# Altium PCB 11BRANMB10H3_20171026.pcbdoc (part 7 of 7)
Units mm, origin at the board's own origin, x right, y up, seen from the top; angles counter-clockwise.
Board outline 91.65 x 48.25 mm, 6 copper layers (TOP, GND1, Singal, POWER, GND2, BOTTOM), stack 0.8 mm thick; 370 components, 289 nets, 1421 pads, 963 vias.
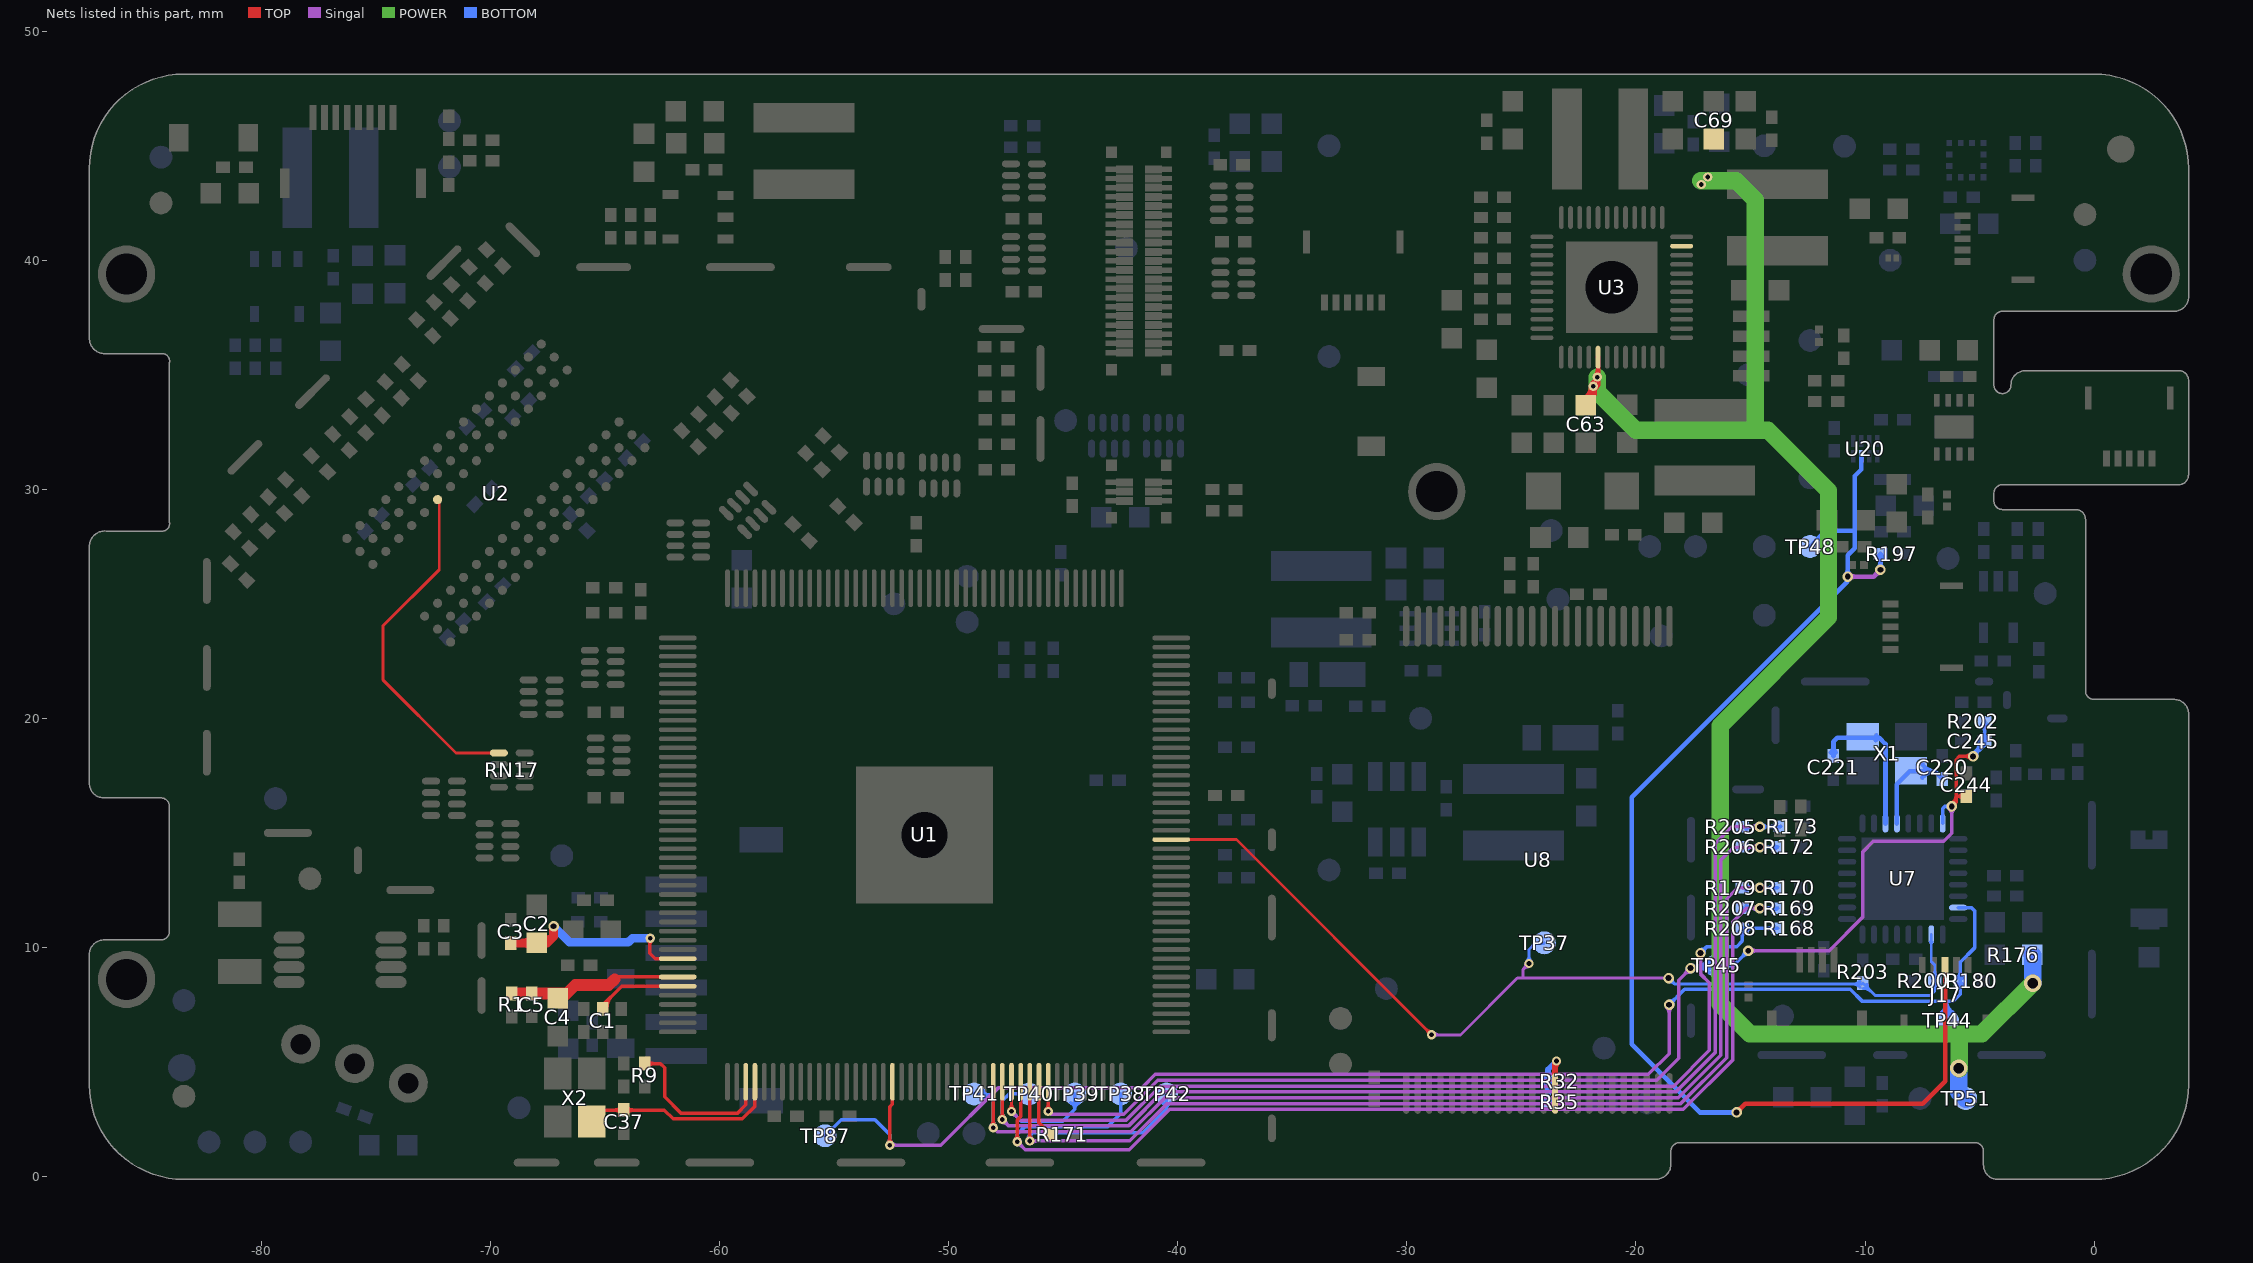
[diagram p11: the nets of this part, all layers, seen from the top]

## Via types
v1: diameter 0.406, hole 0.203, TOP to BOTTOM, tented both sides, 429 vias
v2: diameter 0.457, hole 0.254, TOP to BOTTOM, tented both sides, 256 vias
v3: diameter 0.559, hole 0.305, TOP to BOTTOM, tented both sides, 186 vias
v4: diameter 0.762, hole 0.457, TOP to BOTTOM, tented both sides, 69 vias
v5: diameter 0.61, hole 0.33, TOP to BOTTOM, tented both sides, 11 vias
v6: diameter 0.5, hole 0.2, TOP to BOTTOM, 9 vias
v7: diameter 0.559, hole 0.051, TOP to BOTTOM, tented both sides, 2 vias
v8: diameter 0.508, hole 0.254, TOP to BOTTOM, tented both sides, 1 vias

## Nets (pads, with @x,y where several pads share a name; then routed paths per layer and width w, separated by ;. In a path a pad name is that pad's centre, name@x,y a point inside that pad or via, vN(x,y) a via of type N, cw(c..) or ccw(c..) an arc to the next point about the centre after c; other vN are vias at no path point) (continued)
VOC_SDA: J17.3 R197.2 TP48.1 U20.3 | length 58.3
  TOP w0.203: v2(-15.607,2.794) -15.226,3.175 -7.48,3.175 -6.5,4.155 J17.3@-6.5,9.225 ; v2@-15.607,2.921 ccw(c-15.607,3.228) -15.391,3.011 ccw(c-15.174,2.794) v2@-15.48,2.794
  Singal w0.203: v2(-10.756,26.187) -9.622,26.187 v2(-9.326,26.484) ; v2@-10.666,26.098 cw(c-10.449,25.881) -10.449,26.187 cw(c-10.449,26.494) v2@-10.666,26.277 ; v2@-9.453,26.484 cw(c-9.759,26.484) -9.542,26.267 cw(c-9.326,26.051) v2@-9.326,26.357
  BOTTOM w0.203: v2@-15.697,2.704 ccw(c-15.914,2.487) -15.914,2.794 ccw(c-15.914,3.101) v2@-15.697,2.884 ; v2@-15.633,2.794 -17.207,2.794 -20.179,5.767 -20.179,16.56 -10.769,25.971 -10.769,26.187 -10.769,26.226 v2@-10.756,26.238 ; TP48.1@-12.4,27.5 -11.706,28.194 -10.451,28.194 ; v2@-10.846,26.277 ccw(c-11.063,26.494) -10.756,26.494 ccw(c-10.449,26.494) v2@-10.666,26.277 ; v2(-10.756,26.187) v2@-10.756,26.238 ; U20.3@-10.169,31.44 -10.169,30.864 -10.451,30.582 -10.451,28.194 ; R197.2@-9.431,27.073 cw(c-9.684,26.82) -9.326,26.82 cw(c-8.967,26.82) R197.2@-9.221,27.073 ; v2@-9.415,26.574 ccw(c-9.632,26.791) -9.326,26.791 ccw(c-9.019,26.791) v2@-9.236,26.574 ; v2(-9.326,26.484) R197.2@-9.326,27.178 ; v2@-10.756,26.238 -10.756,27.127 -10.451,27.432 -10.451,28.194
VPS: R32.2 R35.1 U8.38 | length 5.1
  TOP w0.254: U8.38@-23.533,3.624 -23.533,4.974 v1(-23.47,5.037) ; -23.533,4.701 cw(c-23.134,4.701) v1@-23.416,4.983
  BOTTOM w0.254: R35.1@-23.93,3.346 ccw(c-24.14,3.556) -23.843,3.556 ccw(c-23.546,3.556) R35.1@-23.756,3.346 ; R32.2@-23.93,4.061 cw(c-24.14,3.851) -23.843,3.851 cw(c-23.546,3.851) R32.2@-23.756,4.061 ; R32.2@-23.93,4.235 ccw(c-24.14,4.445) -23.843,4.445 ccw(c-23.546,4.445) R32.2@-23.756,4.235 ; R35.1@-23.843,3.259 R32.2@-23.843,4.148 -23.843,4.664 v1(-23.47,5.037)
VRA1: C1.2 U1.83 | length 4.7
  TOP w0.152: C1.2@-65.167,7.252 -65.167,7.307 -65.167,7.424 -64.284,8.308 U1.83@-61.84,8.308 ; C1.2@-65.086,7.357 cw(c-64.729,7.357) -64.982,7.61 ; C1.2@-64.934,7.357 cw(c-64.209,7.357) -64.722,7.87
VRA2: C4.2 C5.2 R1.2 U1.82 | length 8
  TOP w0.152: -64.591,8.611 -64.494,8.708 U1.82@-61.84,8.708
  TOP w0.508: R1.2@-69.086,7.986 -68.207,7.986 -67.076,7.986 C4.2@-66.688,7.986 ; C4.2@-67.076,7.776 -66.899,7.776 C4.2@-66.688,7.986 ; -64.591,8.611 -64.846,8.356 -66.318,8.356 C4.2@-66.688,7.986
VRP: C2.2 C3.2 U1.80 | length 11.7
  TOP w0.152: v1@-63.133,10.315 cw(c-63.325,10.123) -63.054,10.123 ; -63.054,10.073 cw(c-62.711,10.073) v1@-62.953,10.315 ; v1(-63.043,10.405) -63.054,10.394 -63.054,9.736 -62.825,9.508 U1.80@-61.84,9.508
  TOP w0.381: C3.2@-69.137,10.193 -67.994,10.193 -67.529,10.193 ; -68.632,10.193 ccw(c-68.632,10.836) C2.2@-68.178,10.381 ; -68.61,10.193 cw(c-68.61,9.583) C2.2@-68.178,10.014 ; C2.2@-67.847,10.411 ccw(c-67.584,10.791) -67.258,10.465 ; C2.2@-67.776,10.058 cw(c-67.529,9.901) -67.529,10.193 ; C2.2@-67.772,10.331 ccw(c-67.529,10.475) -67.529,10.193 ; v2(-67.258,10.922) -67.258,10.465 ; -67.529,10.193 -67.258,10.465
  BOTTOM w0.381: v2(-67.258,10.922) -66.561,10.225 -63.995,10.225 -63.815,10.405 v1(-63.043,10.405)
WE: RN17.1 U2.L3 | length 15.3
  TOP w0.127: U2.L3@-72.321,29.551 -72.248,29.478 -72.248,26.49 -74.712,24.026 -74.712,21.689 -71.515,18.492 RN17.1@-69.648,18.492
WI-FI_EN: R180.1 TP44.1 TP87.1 U1.107 U7.7 | length 69.3
  TOP w0.152: v1@-52.668,1.457 ccw(c-52.885,1.674) -52.578,1.674 ccw(c-52.272,1.674) v1@-52.489,1.457 ; v1(-52.578,1.367) -52.578,3.032 -52.465,3.145 U1.107@-52.465,4.133
  Singal w0.152: v1(-52.578,1.367) -50.346,1.367 -47.832,3.882 -41.557,3.882 -40.986,4.453 -19.46,4.453 -18.554,5.359 v2(-18.554,7.493) ; v1@-52.489,1.278 cw(c-52.272,1.061) -52.272,1.367 cw(c-52.272,1.674) v1@-52.489,1.457 ; v2@-18.662,7.385 cw(c-18.922,7.125) -18.554,7.125 cw(c-18.186,7.125) v2@-18.446,7.385
  BOTTOM w0.152: TP87.1@-55.4,1.777 -54.7,2.478 -53.226,2.478 -52.578,1.83 v1(-52.578,1.367) v1@-52.578,1.314 ; v1@-52.668,1.457 ccw(c-52.885,1.674) -52.578,1.674 ccw(c-52.272,1.674) v1@-52.489,1.457 ; v2(-18.554,7.493) -17.881,8.166 -10.642,8.166 -10.134,7.658 -6.438,7.658 ; v2@-18.554,7.645 ccw(c-18.554,8.013) -18.294,7.753 ccw(c-18.033,7.493) v2@-18.401,7.493 ; TP44.1@-6.681,7.117 ccw(c-7.161,7.658) -6.438,7.658 ; TP44.1@-6.58,7.003 ccw(c-6.861,7.319) -6.438,7.319 ; -6.438,7.375 ccw(c-6.021,7.375) TP44.1@-6.251,7.027 ; TP44.1@-6.413,6.513 TP44.1@-6.4,6.5 ; TP44.1@-6.4,6.8 -6.438,6.838 -6.438,7.658 ; TP44.1@-6.167,7.154 cw(c-5.834,7.658) -6.438,7.658 ; R180.1@-5.969,8.412 cw(c-6.265,8.115) -5.846,8.115 cw(c-5.426,8.115) R180.1@-5.723,8.412 ; R180.1@-5.969,8.657 ccw(c-6.265,8.954) -5.846,8.954 ccw(c-5.426,8.954) R180.1@-5.723,8.657 ; U7.7@-5.932,11.737 -5.348,11.737 -5.219,11.608 -5.219,9.974 -5.846,9.347 R180.1@-5.846,8.534 -5.846,7.958 -6.146,7.658 -6.438,7.658
WIFI_3V3: C63.2 C69.2 R176.1 TP51.1 U3.11 U3.41 | length 76.5
  TOP w0.203: C63.2@-22.2,33.676 -22.2,33.993 -21.784,34.409 -21.651,34.542 ; C63.2@-22.16,34.033 ccw(c-22.62,34.493) v1@-21.97,34.493 ; C63.2@-22.059,33.712 cw(c-21.474,33.864) -21.902,34.291 ; C63.2@-22.015,34.095 ccw(c-22.439,34.34) v1@-21.966,34.467 ; v1@-21.94,34.565 ccw(c-22.638,35.263) -21.651,35.263 ; v1@-21.925,34.409 cw(c-22.087,34.171) C63.2@-21.803,34.123 ; v1@-21.875,34.662 cw(c-21.606,34.483) v1@-21.67,34.8 ; C63.2@-21.863,33.763 cw(c-21.076,33.967) -21.651,34.542 ; v1@-21.796,34.421 ccw(c-22.148,34.773) v1@-21.651,34.773 ; v1@-21.762,34.828 cw(c-22.031,34.559) -21.651,34.559 ; v1@-21.762,34.971 ccw(c-22.031,35.24) -21.651,35.24 ; v1@-21.748,34.816 cw(c-21.84,34.685) -21.685,34.643 ; -21.665,35.188 ccw(c-21.393,35.135) v1@-21.611,34.962 ; U3.41@-21.657,35.769 -21.651,35.763 -21.651,34.899 -21.651,34.542
  POWER w0.762: v1(-21.69,34.899) -21.69,34.493 -21.69,34.264 -20.014,32.588 -14.668,32.588 ; v1@-17.164,43.48 -17.144,43.48 -16.864,43.48 -15.628,43.48 -14.795,42.647 -14.795,32.715 -14.668,32.588 ; v4@-5.891,4.699 -5.891,4.724 -5.891,6.219 ; v4(-2.679,8.433) -4.893,6.219 -5.891,6.219 ; -14.668,32.588 -14.236,32.588 -11.594,29.947 -11.594,24.409 -16.319,19.685 -16.319,7.514 -15.023,6.219 -5.891,6.219
  BOTTOM w0.762: v4(-5.905,4.724) -5.905,3.682 -5.611,3.389 TP51.1@-5.6,3.377 ; R176.1@-2.692,9.677 -2.679,9.665 v4(-2.679,8.433)
  other v1: -21.868,34.493 -17.144,43.307 -16.864,43.637
WL-RESTN: C244.2 C245.1 R202.1 TP45.1 U1.124 U7.32 | length 69.3
  TOP w0.152: v1@-45.755,2.928 ccw(c-45.971,3.145) -45.665,3.145 ccw(c-45.358,3.145) v1@-45.575,2.928 ; v1(-45.665,2.838) U1.124@-45.665,4.133 ; v2@-6.249,16.302 ccw(c-6.326,16.594) -6.024,16.594 ; v2@-6.169,16.301 ccw(c-6.13,16.446) -6.024,16.34 ; v2@-6.062,16.194 cw(c-5.917,16.234) -6.024,16.34 ; -6.024,16.396 cw(c-6.274,16.396) v2(-6.209,16.154) -6.024,16.34 ; C244.2@-5.697,16.471 ccw(c-5.994,16.175) -5.994,16.594 ccw(c-5.994,17.014) C244.2@-5.697,16.717 ; C244.2@-5.574,16.594 -6.024,16.594 ; v2@-5.39,18.231 ccw(c-5.65,17.971) -5.65,18.339 ccw(c-5.65,18.707) v2@-5.39,18.446 ; v2(-5.282,18.339) -5.879,18.339 -6.024,18.194 -6.024,16.594 ; -6.024,16.34 -6.024,16.594
  Singal w0.152: v1(-45.665,2.838) -45.538,2.711 -42.369,2.711 -40.881,4.199 -19.099,4.199 -18.134,5.165 -18.134,8.573 v2(-17.614,9.093) ; v2@-17.766,9.093 cw(c-18.134,9.093) -17.874,8.833 cw(c-17.614,8.573) v2@-17.614,8.941 ; v2(-15.099,9.855) -11.564,9.855 -10.108,11.311 -10.108,14.16 -9.638,14.63 -6.565,14.63 -6.209,14.986 v2(-6.209,16.154) ; v2@-14.992,9.747 cw(c-14.731,9.487) -14.731,9.855 cw(c-14.731,10.223) v2@-14.992,9.963 ; v2@-6.317,16.047 cw(c-6.577,15.786) -6.209,15.786 cw(c-5.841,15.786) v2@-6.102,16.047
  BOTTOM w0.152: v2@-17.665,9.093 v2(-17.614,9.093) ; v2@-17.538,9.225 ccw(c-17.354,9.544) -17.259,9.188 ; v2@-17.506,8.985 cw(c-17.246,8.725) -17.246,9.093 cw(c-17.246,9.461) v2@-17.506,9.201 ; v2@-17.482,9.017 cw(c-17.163,8.833) -17.259,9.188 ; -17.294,9.093 ccw(c-17.294,9.844) TP45.1@-16.711,9.371 ; -17.265,9.093 cw(c-17.265,8.435) TP45.1@-16.8,8.9 ; TP45.1@-16.829,9.467 cw(c-17.614,10.104) v2(-17.614,9.093) ; v2@-15.252,9.855 cw(c-15.62,9.855) -15.36,9.595 cw(c-15.099,9.335) v2@-15.099,9.703 ; v2(-15.099,9.855) -15.755,9.2 TP45.1@-16.5,9.2 -16.607,9.093 v2(-17.614,9.093) ; U7.32@-6.607,15.412 -6.607,16.062 -6.514,16.154 ; v2@-6.331,16.063 ccw(c-6.514,15.926) -6.514,16.154 ; v2@-6.331,16.246 cw(c-6.514,16.383) -6.514,16.154 ; v2(-6.209,16.154) -6.514,16.154 ; v2@-5.321,18.486 ccw(c-5.418,18.847) -5.094,18.66 ; v2(-5.282,18.339) -4.782,18.839 C245.1@-4.782,18.999 R202.1@-4.782,19.863 ; v2@-5.282,18.491 ccw(c-5.282,18.859) -5.022,18.599 ccw(c-4.761,18.339) v2@-5.129,18.339 ; v2@-5.277,18.343 ccw(c-5.933,18.999) C245.1@-5.006,18.999 ; v2@-5.135,18.378 cw(c-4.785,18.472) -5.098,18.653 ; -5.017,18.603 ccw(c-5.413,18.999) C245.1@-4.853,18.999 ; C245.1@-4.905,19.122 ccw(c-5.201,19.419) -4.782,19.419 ccw(c-4.362,19.419) C245.1@-4.659,19.122 ; R202.1@-4.905,19.74 cw(c-5.201,19.443) -4.782,19.443 cw(c-4.362,19.443) R202.1@-4.659,19.74
WL-SDIO-CLK: R171.1 U1.123 | length 3.2
  TOP w0.152: U1.123@-46.065,4.133 -46.065,2.348 R171.1@-45.546,1.829 ; -45.928,2.211 cw(c-46.31,1.829) R171.1@-45.77,1.829 ; -45.807,2.09 ccw(c-45.596,2.301) R171.1@-45.596,2.003
WL-SDIO-CMD: R170.1 R179.2 TP42.1 U1.122 | length 57.8
  TOP w0.152: v1@-46.465,1.521 v1(-46.465,1.549) ; U1.122@-46.465,4.133 -46.468,4.13 -46.468,2.384 -46.465,2.381 v1(-46.465,1.549) ; v1@-46.375,1.639 cw(c-46.158,1.856) -46.465,1.856 cw(c-46.772,1.856) -46.555,1.639 v1(-46.465,1.549)
  Singal w0.152: v1(-46.465,1.549) -42.094,1.549 -40.46,3.183 -18.041,3.183 -16.039,5.185 -16.039,12.116 -15.557,12.598 v2(-14.591,12.598) ; v1@-46.375,1.46 cw(c-46.158,1.243) -46.158,1.549 cw(c-46.158,1.856) v1@-46.375,1.639 ; v2@-14.699,12.491 ccw(c-14.959,12.23) -14.959,12.598 ccw(c-14.959,12.966) v2@-14.699,12.706
  BOTTOM w0.152: v1@-46.542,1.65 ccw(c-46.662,1.807) -46.465,1.807 ; v1@-46.484,1.532 cw(c-46.346,1.66) -46.479,1.793 ; v1(-46.465,1.549) -46.465,1.807 ; v1@-46.388,1.65 cw(c-46.267,1.807) -46.465,1.807 ; v1@-46.372,1.636 cw(c-46.23,1.768) -46.367,1.905 ; TP42.1@-40.677,3.215 cw(c-40.805,2.938) -40.5,2.938 ; TP42.1@-40.5,3.6 -40.5,2.938 ; TP42.1@-40.323,3.215 ccw(c-40.195,2.938) -40.5,2.938 ; R179.2@-15.361,12.606 -14.591,12.606 R170.1@-13.81,12.606 ; R179.2@-15.189,12.483 cw(c-14.892,12.187) -14.892,12.606 cw(c-14.892,13.026) R179.2@-15.189,12.729 ; -14.978,12.606 cw(c-14.978,12.212) v2@-14.699,12.491 ; -14.941,12.606 ccw(c-14.941,12.948) v2@-14.699,12.706 ; v2@-14.484,12.491 cw(c-14.205,12.212) -14.205,12.606 ; v2@-14.484,12.706 ccw(c-14.242,12.948) -14.242,12.606 ; R170.1@-13.983,12.483 ccw(c-14.28,12.187) -14.28,12.606 ccw(c-14.28,13.026) R170.1@-13.983,12.729 ; -46.465,1.807 -46.367,1.905 ; -46.367,1.905 -41.541,1.905 -40.508,2.938 -40.5,2.938
WL-SDIO-D0: R172.1 R206.1 TP41.1 U1.118 | length 54.2
  TOP w0.152: v1@-48.155,2.217 ccw(c-48.372,2.433) -48.065,2.433 ccw(c-47.758,2.433) v1@-47.975,2.217 ; v1(-48.065,2.127) U1.118@-48.065,4.133
  Singal w0.152: v1(-48.065,2.127) -47.887,1.949 -42.053,1.949 -40.565,3.437 -18.146,3.437 -16.293,5.29 -16.293,13.818 -15.734,14.376 v2(-14.591,14.376) ; v2@-14.699,14.269 ccw(c-14.959,14.008) -14.959,14.376 ccw(c-14.959,14.744) v2@-14.699,14.484
  BOTTOM w0.152: TP41.1@-48.9,3.6 -48.856,3.556 -48.246,3.556 ; TP41.1@-48.532,3.39 cw(c-48.246,3.228) -48.246,3.556 ; TP41.1@-48.499,3.737 ccw(c-48.246,3.823) -48.246,3.556 ; v1@-48.155,2.217 ccw(c-48.372,2.433) -48.065,2.433 ccw(c-47.758,2.433) v1@-47.975,2.217 ; v1(-48.065,2.127) -48.065,3.374 -48.246,3.556 ; R206.1@-15.362,14.384 -14.591,14.384 R172.1@-13.81,14.384 R172.1@-13.873,14.321 ; R206.1@-15.189,14.261 cw(c-14.892,13.965) -14.892,14.384 cw(c-14.892,14.804) R206.1@-15.189,14.507 ; -14.979,14.384 cw(c-14.979,13.989) v2@-14.699,14.269 ; -14.94,14.384 ccw(c-14.94,14.725) v2@-14.699,14.484 ; v2@-14.484,14.269 cw(c-14.204,13.989) -14.204,14.384 ; v2@-14.484,14.484 ccw(c-14.243,14.725) -14.243,14.384 ; -14.28,14.384 cw(c-14.28,13.964) R172.1@-13.983,14.261 ; -14.279,14.384 ccw(c-14.279,14.803) R172.1@-13.983,14.507
WL-SDIO-D1: R173.1 R205.1 TP40.1 U1.119 | length 54.1
  TOP w0.152: v1@-47.755,2.572 ccw(c-47.971,2.789) -47.665,2.789 ccw(c-47.358,2.789) v1@-47.575,2.572 ; v1@-47.665,2.384 v1(-47.665,2.482) U1.119@-47.665,4.133
  Singal w0.152: v1@-47.665,2.355 cw(c-47.665,2.049) -47.448,2.266 cw(c-47.231,2.482) v1@-47.538,2.482 ; v1(-47.665,2.482) -47.385,2.203 -42.159,2.203 -40.67,3.691 -18.252,3.691 -16.547,5.396 -16.547,14.529 -15.811,15.265 v2(-14.591,15.265) v2@-14.566,15.265 ; v2@-14.699,15.158 ccw(c-14.959,14.897) -14.959,15.265 ccw(c-14.959,15.633) v2@-14.699,15.373
  BOTTOM w0.152: v1@-47.755,2.572 ccw(c-47.971,2.789) -47.665,2.789 ccw(c-47.358,2.789) v1@-47.575,2.572 ; v1@-47.727,2.545 v1(-47.665,2.482) -47.665,3.299 -47.364,3.6 TP40.1@-46.5,3.6 ; R205.1@-15.362,15.273 -14.591,15.273 -13.691,15.273 R173.1@-13.685,15.279 ; R205.1@-15.189,15.15 cw(c-14.892,14.854) -14.892,15.273 cw(c-14.892,15.693) R205.1@-15.189,15.396 ; -14.979,15.273 cw(c-14.979,14.878) v2@-14.699,15.158 ; -14.94,15.273 ccw(c-14.94,15.614) v2@-14.699,15.373 ; v2@-14.484,15.158 cw(c-14.204,14.878) -14.204,15.273 ; v2@-14.484,15.373 ccw(c-14.243,15.614) -14.243,15.273 ; -14.168,15.273 ccw(c-14.168,15.713) R173.1@-13.858,15.402 ; -14.14,15.273 cw(c-14.14,14.874) R173.1@-13.858,15.156
WL-SDIO-D2: R168.1 R208.1 TP39.1 U1.120 | length 50.8
  TOP w0.152: v1@-47.355,2.928 ccw(c-47.571,3.145) -47.265,3.145 ccw(c-46.958,3.145) v1@-47.175,2.928 ; v1(-47.265,2.838) U1.120@-47.265,4.133
  Singal w0.152: v1@-47.265,2.711 cw(c-47.265,2.404) -47.048,2.621 cw(c-46.831,2.838) v1@-47.138,2.838 ; v1(-47.265,2.838) -46.884,2.457 -42.264,2.457 -40.776,3.945 -18.357,3.945 -16.801,5.501 -16.801,8.458 -17.182,8.839 v2(-17.182,9.754) ; v2@-17.29,9.646 cw(c-17.55,9.386) -17.182,9.386 cw(c-16.814,9.386) v2@-17.074,9.646
  BOTTOM w0.152: v1@-47.265,2.711 cw(c-47.265,2.404) -47.048,2.621 cw(c-46.831,2.838) v1@-47.138,2.838 ; v1(-47.265,2.838) -46.84,2.413 -45.025,2.413 -44.5,2.938 ; TP39.1@-44.677,3.215 cw(c-44.805,2.938) -44.5,2.938 ; TP39.1@-44.5,3.6 -44.5,2.938 ; TP39.1@-44.323,3.215 ccw(c-44.195,2.938) -44.5,2.938 ; v2(-17.182,9.754) -16.903,10.033 -15.607,10.033 -15.362,10.279 R208.1@-15.362,10.828 R168.1@-13.81,10.828 ; v2@-17.182,9.906 ccw(c-17.182,10.274) -16.922,10.014 ccw(c-16.662,9.754) v2@-17.03,9.754 ; R208.1@-15.484,10.705 cw(c-15.781,10.409) -15.362,10.409 cw(c-14.942,10.409) R208.1@-15.239,10.705 ; R208.1@-15.189,10.705 cw(c-14.892,10.409) -14.892,10.828 cw(c-14.892,11.248) R208.1@-15.189,10.951 ; -14.28,10.828 cw(c-14.28,10.408) R168.1@-13.983,10.705 ; -14.279,10.828 ccw(c-14.279,11.247) R168.1@-13.983,10.951
WL-SDIO-D3: R169.1 R207.1 TP38.1 U1.121 | length 55.4
  TOP w0.127: U1.121@-46.865,4.133 U1.121@-46.862,4.13
  TOP w0.152: v1@-47.106,1.61 ccw(c-47.322,1.826) -47.016,1.826 ccw(c-46.709,1.826) v1@-46.926,1.61 ; v1(-47.016,1.52) -47.016,2.462 -46.862,2.616 U1.121@-46.862,4.13
  Singal w0.152: v1@-47.016,1.393 cw(c-47.016,1.086) -46.799,1.303 cw(c-46.582,1.52) v1@-46.889,1.52 ; v1(-47.016,1.52) -46.664,1.168 -42.116,1.168 -40.355,2.929 -17.936,2.929 -15.785,5.08 -15.785,11.1 -15.176,11.709 v2(-14.591,11.709) ; v2@-14.699,11.602 ccw(c-14.959,11.341) -14.959,11.709 ccw(c-14.959,12.077) v2@-14.699,11.817
  BOTTOM w0.152: v1@-47.106,1.61 ccw(c-47.322,1.826) -47.016,1.826 ccw(c-46.709,1.826) v1@-46.926,1.61 ; v1(-47.016,1.52) -47.016,1.84 -46.697,2.159 -43.09,2.159 -42.481,2.769 -42.5,2.788 TP38.1@-42.5,3.6 ; R207.1@-15.362,11.717 -14.591,11.717 R169.1@-13.81,11.717 R169.1@-13.873,11.654 ; R207.1@-15.189,11.594 cw(c-14.892,11.298) -14.892,11.717 cw(c-14.892,12.137) R207.1@-15.189,11.84 ; -14.979,11.717 cw(c-14.979,11.322) v2@-14.699,11.602 ; -14.94,11.717 ccw(c-14.94,12.058) v2@-14.699,11.817 ; v2@-14.484,11.602 cw(c-14.204,11.322) -14.204,11.717 ; v2@-14.484,11.817 ccw(c-14.243,12.058) -14.243,11.717 ; -14.28,11.717 cw(c-14.28,11.297) R169.1@-13.983,11.594 ; -14.279,11.717 ccw(c-14.279,12.136) R169.1@-13.983,11.84
WL-WAKE-UP: R200.2 R203.1 TP37.1 U1.154 U7.10 | length 48.6
  TOP w0.127: U1.154@-40.29,14.708 -37.446,14.708 v1(-28.926,6.188) ; v1@-29.066,6.188 ccw(c-29.403,6.188) -29.165,6.427 ccw(c-28.926,6.665) v1@-28.926,6.328
  Singal w0.127: v1@-28.919,6.181 -27.661,6.181 -25.18,8.661 -24.925,8.661 ; v1@-28.828,6.089 cw(c-28.607,5.869) -28.607,6.181 ; v1@-28.828,6.287 ccw(c-28.571,6.544) -28.571,6.181 ; v1@-24.811,9.296 cw(c-25.148,9.296) -24.909,9.058 cw(c-24.671,8.819) v1@-24.671,9.156 ; v1(-24.671,9.296) -24.925,9.042 -24.925,8.661 ; v2(-18.579,8.661) -24.925,8.661
  BOTTOM w0.127: v1@-24.77,9.395 ccw(c-25.008,9.633) -24.671,9.633 ccw(c-24.334,9.633) v1@-24.572,9.395 ; v1(-24.671,9.296) -24.671,9.906 -24.417,10.16 -24.04,10.16 TP37.1@-24,10.2 ; v2(-18.579,8.661) -18.325,8.407 ; v2@-18.567,8.497 cw(c-18.543,8.189) -18.325,8.407 ; v2@-18.415,8.649 ccw(c-18.107,8.625) -18.325,8.407 ; -10.586,8.407 cw(c-10.586,7.9) R203.1@-10.227,8.259 ; -10.506,8.407 ccw(c-10.506,8.801) R203.1@-10.227,8.523 ; R203.1@-10.096,8.204 cw(c-10.096,7.633) -9.692,8.037 ; R203.1@-9.909,8.391 ccw(c-9.58,8.391) -9.813,8.158 ; U7.10@-7.15,10.244 cw(c-7.255,10.139) -7.107,10.139 cw(c-6.959,10.139) U7.10@-7.064,10.244 ; U7.10@-7.107,10.562 -7.107,9.381 -6.954,9.228 R200.2@-6.954,8.534 -6.954,8.103 ; R200.2@-7.086,8.666 ccw(c-7.404,8.985) -6.954,8.985 ccw(c-6.504,8.985) R200.2@-6.822,8.666 ; R200.2@-7.082,8.399 cw(c-7.361,8.103) -6.954,8.103 ; R200.2@-6.826,8.399 ccw(c-6.547,8.103) -6.954,8.103 ; -18.325,8.407 -10.129,8.407 R203.1@-10.096,8.441 -9.554,7.899 -7.157,7.899 -6.954,8.103
X24MI: C37.2 U1.92 X2.1 | length 10.3
  TOP w0.152: X2.1@-65.583,2.395 -65.583,2.713 -65.401,2.895 C37.2@-64.186,2.895 -62.419,2.895 -62.039,2.515 -59.012,2.515 -58.465,3.062 U1.92@-58.465,4.133 ; C37.2@-64.309,2.773 ccw(c-64.606,2.476) -64.606,2.895 ccw(c-64.606,3.315) C37.2@-64.309,3.018 ; C37.2@-64.063,2.773 cw(c-63.767,2.476) -63.767,2.895 cw(c-63.767,3.315) C37.2@-64.063,3.018
X24MO: R9.1 U1.91 | length 7.9
  TOP w0.152: R9.1@-63.283,4.927 -62.59,4.927 -62.408,4.745 -62.408,3.475 -61.701,2.769 -59.219,2.769 -58.865,3.123 U1.91@-58.865,4.133 ; R9.1@-63.16,4.805 cw(c-62.864,4.508) -62.864,4.927 cw(c-62.864,5.347) R9.1@-63.16,5.05
XTAL_IN: C220.1 U7.28 X1.1 | length 5.3
  BOTTOM w0.203: U7.28@-8.607,15.412 -8.607,17.119 -8.04,17.686 -8,17.686 -6.958,17.686 ; X1.1@-7.495,17.411 cw(c-6.958,17.025) -6.958,17.686 ; X1.1@-7.48,17.971 ccw(c-6.958,18.307) -6.958,17.686 ; C220.1@-6.628,17.356 -6.958,17.686
XTAL_OUT: C221.1 U7.27 X1.3 | length 7.5
  BOTTOM w0.203: C221.1@-11.483,18.511 ccw(c-11.736,18.764) -11.378,18.764 ccw(c-11.02,18.764) C221.1@-11.273,18.511 ; C221.1@-11.378,18.356 -11.378,18.984 -11.214,19.147 -10.1,19.147 -9.373,19.147 ; X1.3@-9.53,19.036 cw(c-9.373,18.981) -9.373,19.147 ; X1.3@-9.505,19.264 ccw(c-9.373,19.28) -9.373,19.147 ; U7.27@-9.107,15.412 -9.107,18.881 -9.373,19.147
pads on no net: A1.3 J4.9 J4.10 J5.5 J6.3 J6.4 J17.5 J18.5 M1.4 M1.5 M2.4 M2.5 U1.14 U1.15 U1.74 U1.77 U1.78 U1.84 U1.85 U1.87 U1.88 U1.89 U1.90 U1.95 U1.96 U1.99 U1.150 U1.155 U2.J1 U2.J9 U2.L1 U2.L9 U2.M7 U3.3 U3.5 U3.18 U3.19 U3.29 U3.30 U7.5 U7.6 U7.8 U7.9 U7.12 U7.13 U7.14 U7.15 U7.25 U8.3 U8.4 U8.5 U8.11 U8.14 U8.15 U8.20 U8.21 U8.22 U8.26 U8.27 U8.28 U8.33 U8.40 U8.45 U8.46 U8.47 U9.2 U21.3 U21.6 U22.3 U22.6

## Polygon pours and split planes (outlines as drawn)
USBVBUS on TOP "Bottom Layer-No Net" (solid, remove dead copper, pour order 598): -79.311,41.224 -81.165,41.224 -81.165,46.203 -79.869,46.203 -78.168,46.203 -78.168,45.745 -78.168,45.593 -76.542,45.593 -76.542,43.942 -76.694,44.094 -79.488,44.094 -79.209,44.094 -79.209,42.316 -79.209,41.224